# KiCad board DevTermCaseTemp.kicad_pcb
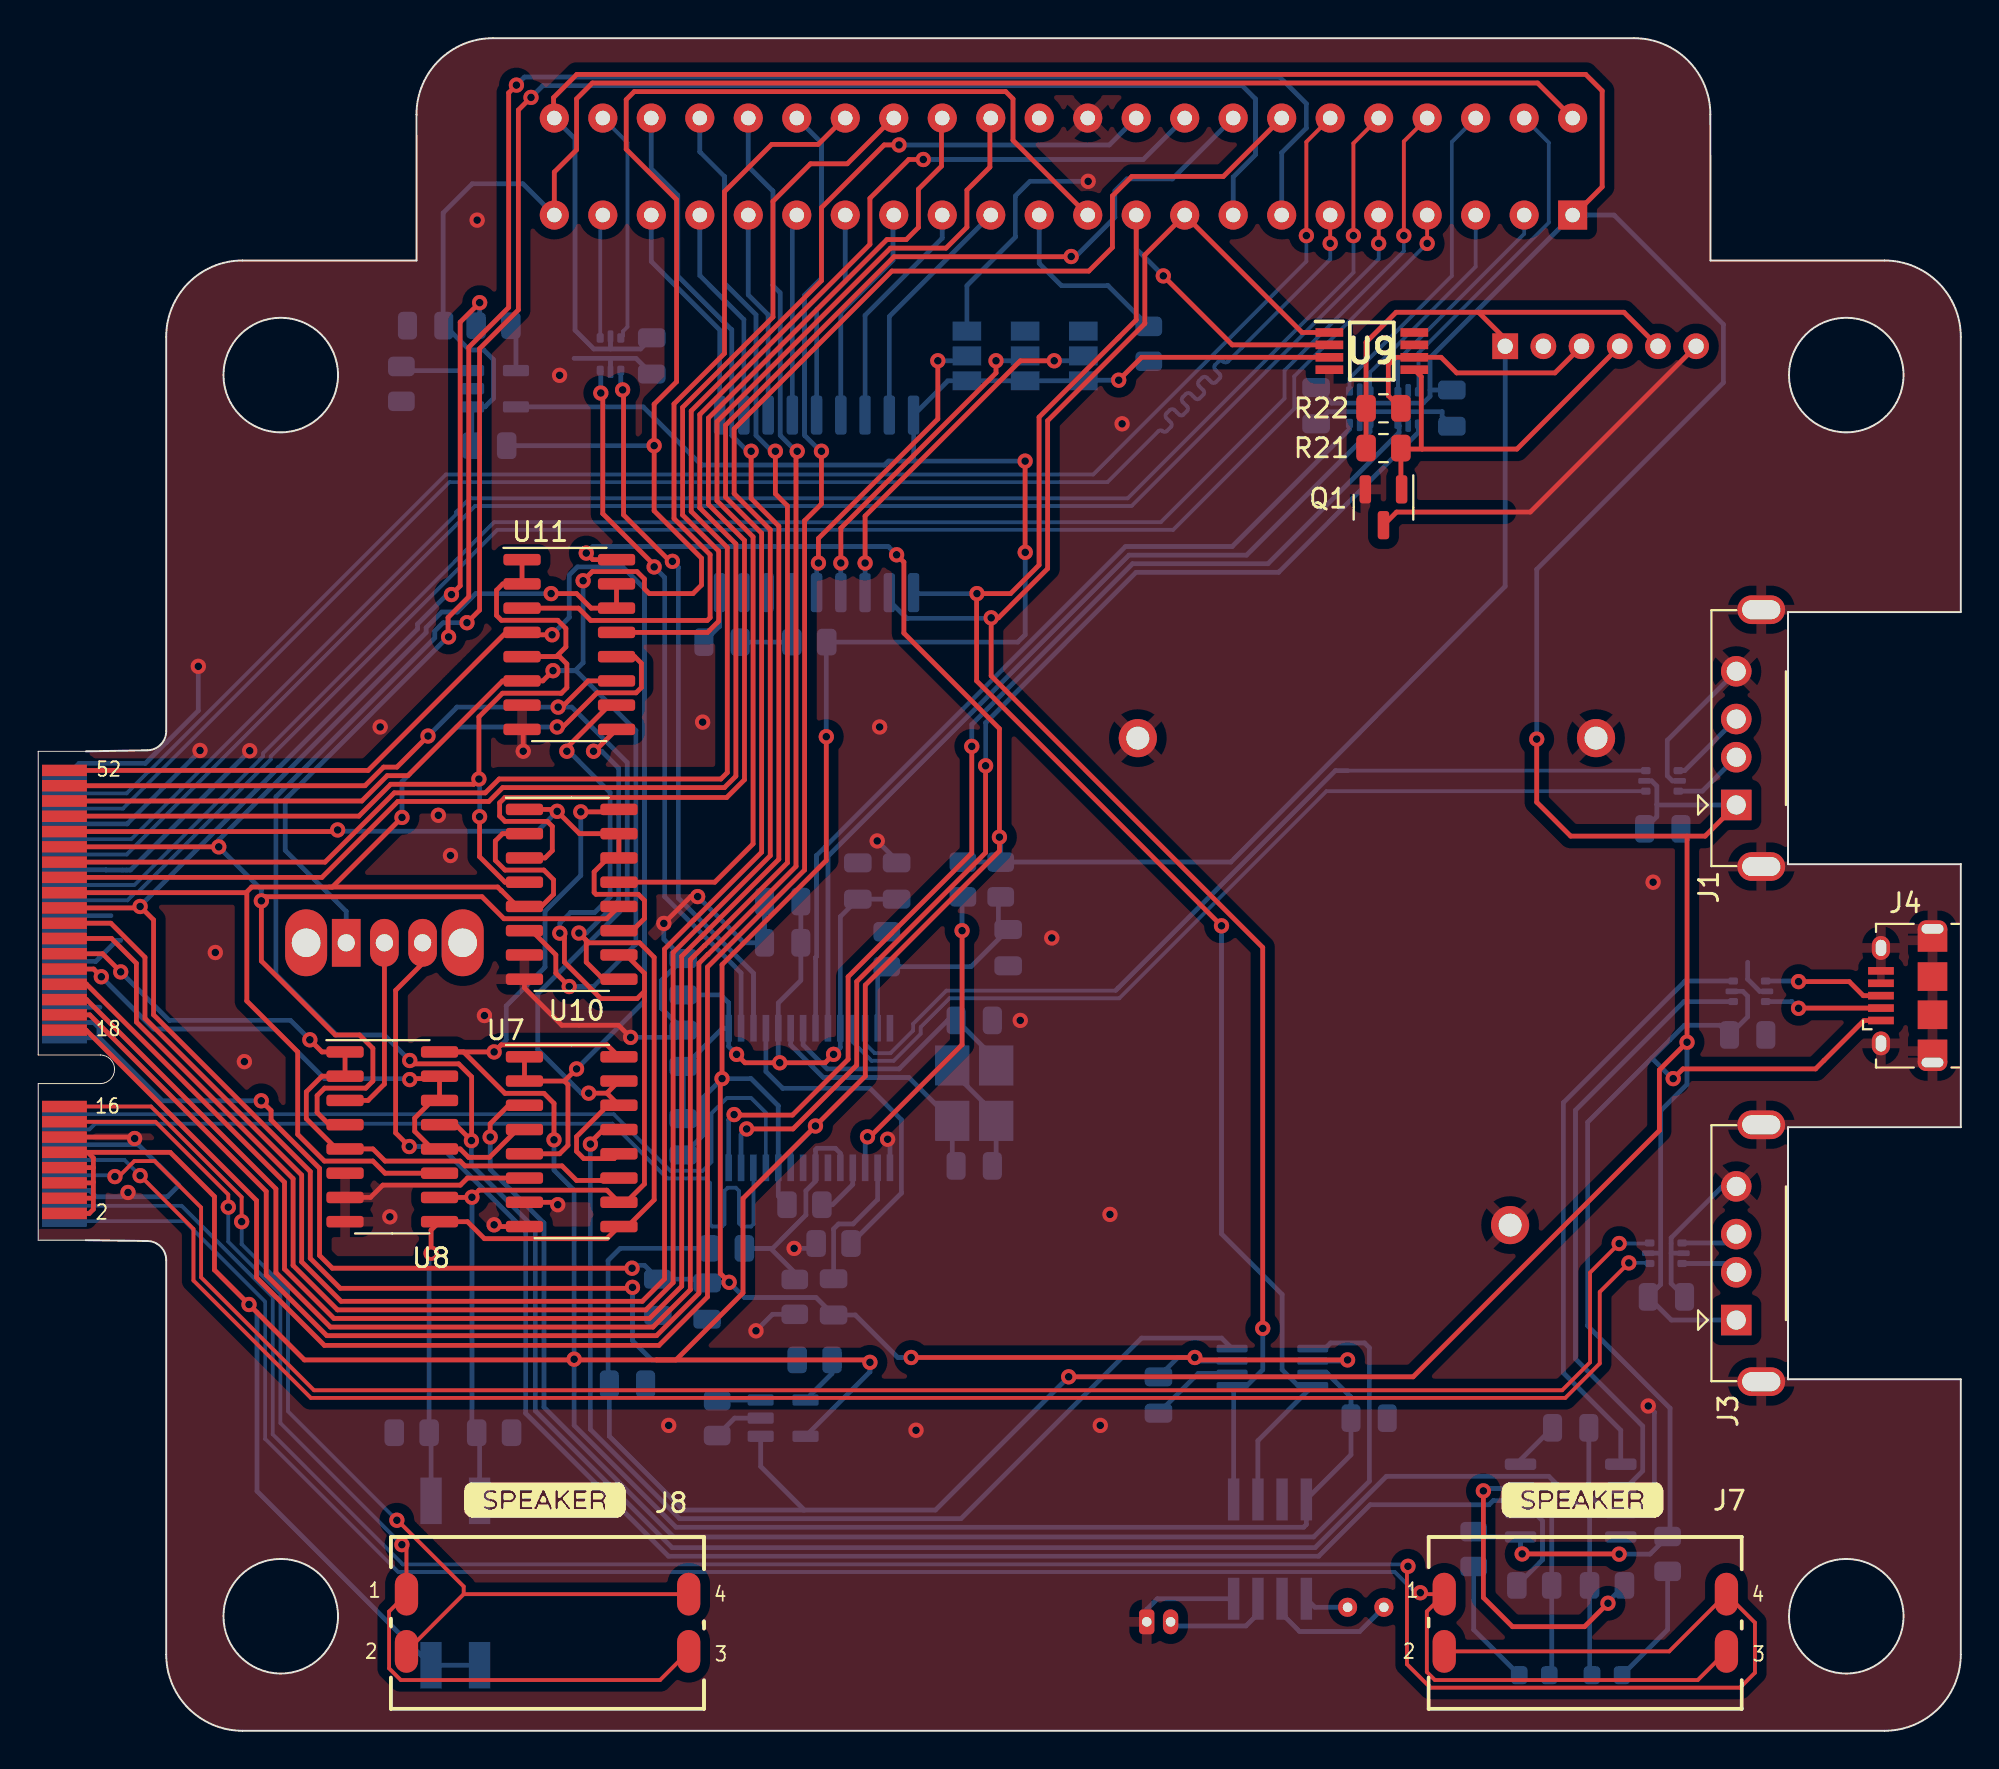
[diagram p0: board, top side]
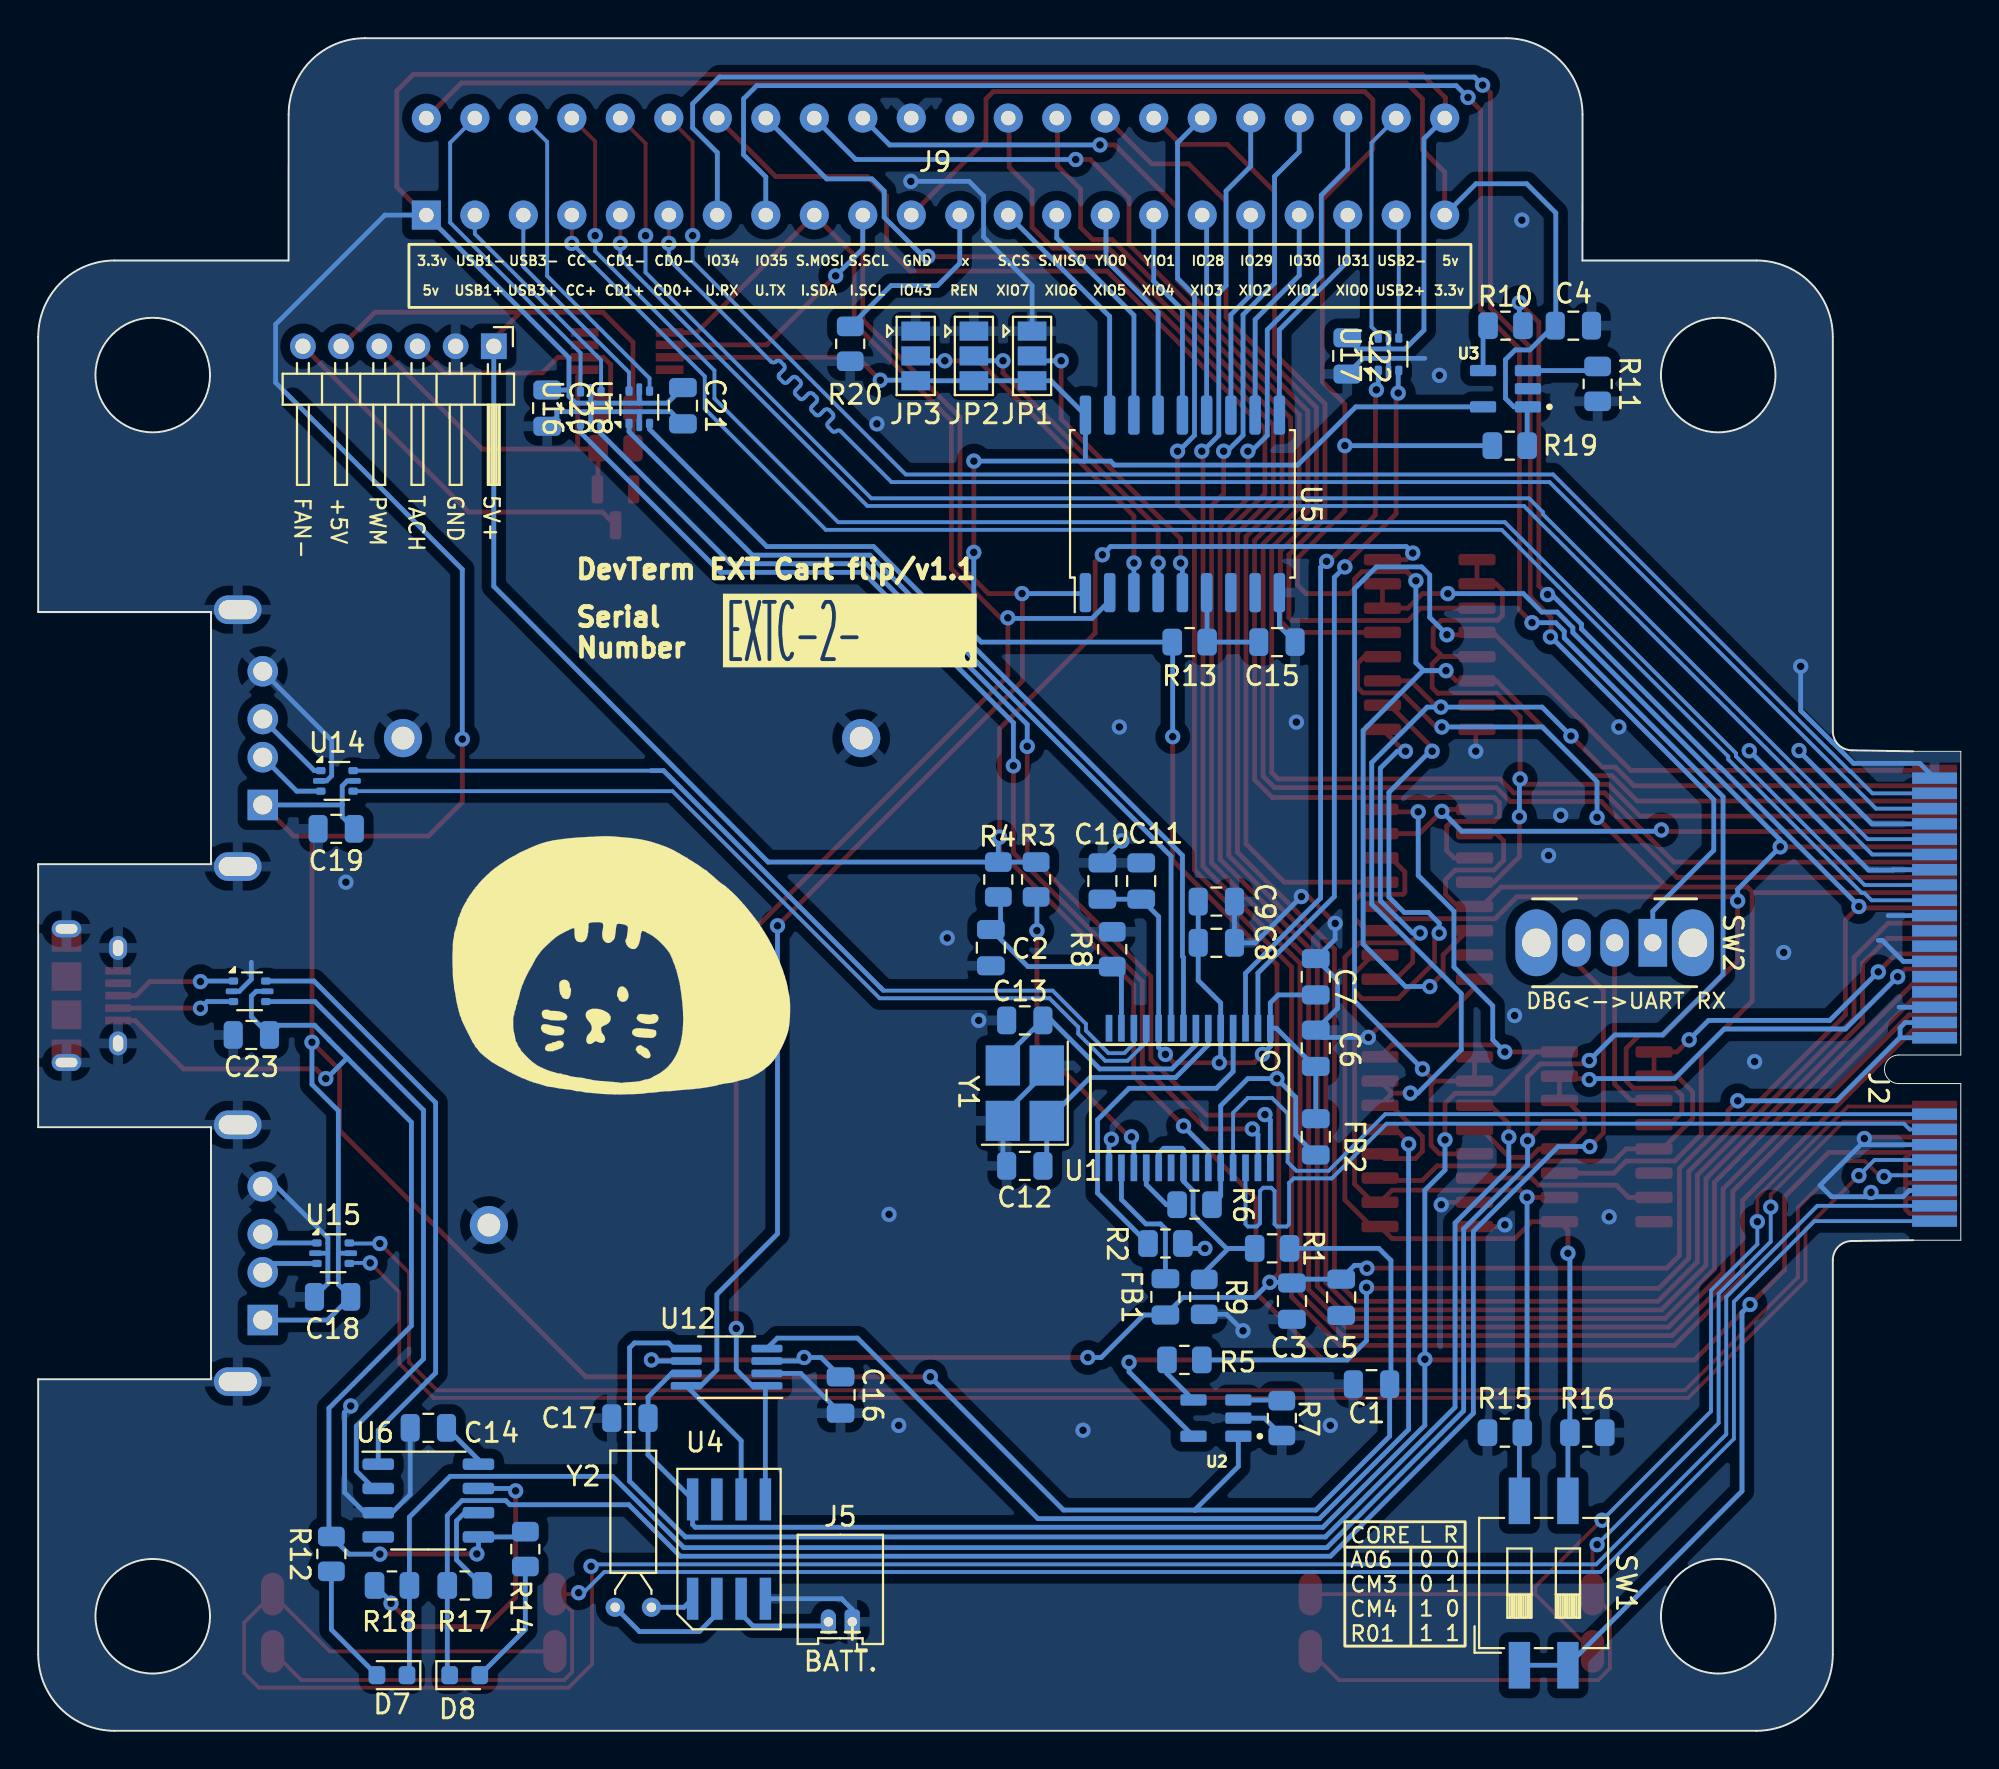
[diagram p1: board, bottom side, seen from below]

Outline 100.71 x 88.64 mm; copper layers: Top, Bottom. Coordinates in mm from the lower left corner of the outline.
Outline path: circle c12.71,71 r3 ; circle c12.71,6 r3 ; circle c94.71,71 r3 ; circle c94.71,6 r3 ; 2.5,51.29 5.71,51.35 arc(6.41,51.64) 6.71,52.35 6.71,73 arc(7.88,75.83) 10.71,77 19.82,77 19.81,84.64 arc(20.99,87.47) 23.81,88.64 83.59,88.64 arc(86.42,87.47) 87.59,84.64 87.59,77 96.71,77 arc(99.53,75.83) 100.71,73 100.71,58.59 91.65,58.59 91.65,45.39 100.71,45.39 100.71,31.61 91.66,31.61 91.66,18.41 100.71,18.41 100.71,4 arc(99.53,1.17) 96.71,0 10.71,0 arc(7.88,1.17) 6.71,4 6.71,24.65 arc(6.41,25.36) 5.71,25.65 2.5,25.69
Stack: Top 0.035mm / dielectric 1.51mm FR4 er 4.5 / Bottom 0.035mm

## Placement (name value [footprint] x y rotation side)
C1  10uF  [C_0805_2012Metric]  30.87 18.15 0 bottom
C2  1uF  [C_0805_2012Metric]  50.81 41.01 270 bottom
C3  100nF  [C_0805_2012Metric]  35.04 22.5 270 bottom
C4  10uF  [C_0805_2012Metric]  20.29 73.59 180 bottom
C5  10uF  [C_0805_2012Metric]  32.46 22.7 270 bottom
C6  100nF  [C_0805_2012Metric]  33.79 35.75 90 bottom
C7  100nF  [C_0805_2012Metric]  33.79 39.49 90 bottom
C8  100nF  [C_0805_2012Metric]  38.99 41.27 180 bottom
C9  1uF  [C_0805_2012Metric]  38.99 43.43 180 bottom
C10  1uF  [C_0805_2012Metric]  44.96 44.5 90 bottom
C11  100nF  [C_0805_2012Metric]  42.93 44.5 90 bottom
C12  20pF  [C_0805_2012Metric]  49.03 29.58 0 bottom
C13  20pF  [C_0805_2012Metric]  49.03 37.2 0 bottom
C14  100nF  [C_0805_2012Metric]  80.27 15.87 0 bottom
C15  100nF  [C_0805_2012Metric]  35.82 57.02 0 bottom
C16  100nF  [C_0805_2012Metric]  58.68 17.58 270 bottom
C17  100nF  [C_0805_2012Metric]  69.71 16.38 0 bottom
C18  100nF  [C_0805_2012Metric]  85.28 22.73 0 bottom
C19  100nF  [C_0805_2012Metric]  85.1 47.24 0 bottom
C20  100nF  [C_0805_2012Metric]  74.05 69.27 270 bottom
C21  100nF  [C_0805_2012Metric]  66.93 69.4 270 bottom
C22  100nF  [C_0805_2012Metric]  32.14 72 270 bottom
C23  100nF  [C_0805_2012Metric]  89.54 36.44 0 bottom
D7  LED  [LED_0603_1608Metric]  82.17 2.91 0 bottom
D8  LED  [LED_0603_1608Metric]  78.36 2.91 180 bottom
FB1  FerriteBead  [C_0805_2012Metric]  41.66 22.73 270 bottom
FB2  FerriteBead  [C_0805_2012Metric]  33.79 31.11 90 bottom
J1  USB_A  [USB_A_PCBCUT]  88.94 48.49 90 top
J2  EXT_miniPCIe  [mini-PCIe]  0 34.64 90 bottom
J3  USB_A  [USB_A_PCBCUT]  88.94 21.51 90 top
J4  USB_B_Micro  [USB_Micro-B_Amphenol_10118194_Horizontal]  97.92 38.5 90 top
J5  Conn_01x02  [Molex_PicoBlade_53048-0210_1x02_P1.25mm_Horizontal]  58.06 5.71 0 bottom
J7  DevTermSpeaker  [DevTerm-Speaker]  80.96 12.08 0 top
J8  DevTermSpeaker  [DevTerm-Speaker]  26.61 12.08 0 top
J9  Conn_02x22_Odd_Even  [C64-Cart-Socket-Horizontal]  53.7 81.92 180 bottom
J11  Conn_01x06  [PinHeader_1x06_P2.00mm_Horizontal]  76.84 72.51 270 bottom
JP1  A0  [SolderJumper-3_P1.3mm_Open_Pad1.0x1.5mm]  48.65 72 270 bottom
JP2  A1  [SolderJumper-3_P1.3mm_Open_Pad1.0x1.5mm]  51.69 72 270 bottom
JP3  A2  [SolderJumper-3_P1.3mm_Open_Pad1.0x1.5mm]  54.74 72 270 bottom
M2  DevTerm Stock Fan  [DevTerm-Stock-Fan]  70.1 39.99 180 bottom
Q1  BSS138  [SOT-23]  70.47 64.08 270 top
R1  30K  [R_0805_2012Metric]  36.07 25.27 0 bottom
R2  680R/1%  [R_0805_2012Metric]  41.66 25.52 0 bottom
R3  100K  [R_0805_2012Metric]  48.44 44.58 90 bottom
R4  10K  [R_0805_2012Metric]  50.42 44.58 270 bottom
R5  10K  [R_0805_2012Metric]  40.67 19.42 0 bottom
R6  100K  [R_0805_2012Metric]  40.14 27.55 180 bottom
R7  6.8K/1%  [R_0805_2012Metric]  35.57 16.38 270 bottom
R8  47K  [R_0805_2012Metric]  44.45 40.93 90 bottom
R9  30K  [R_0805_2012Metric]  39.63 22.73 270 bottom
R10  10K  [R_0805_2012Metric]  23.85 73.59 0 bottom
R11  6.8K/1%  [R_0805_2012Metric]  19.02 70.54 270 bottom
R12  1K  [R_0805_2012Metric]  85.35 9.26 270 bottom
R13  15K  [R_0805_2012Metric]  40.39 57.02 180 bottom
R14  1K  [R_0805_2012Metric]  75.19 9.52 270 bottom
R15  100K  [R_0805_2012Metric]  23.88 15.61 0 bottom
R16  100K  [R_0805_2012Metric]  19.56 15.61 180 bottom
R17  1K  [R_0805_2012Metric]  78.36 7.61 0 bottom
R18  1K  [R_0805_2012Metric]  82.17 7.61 180 bottom
R19  100K  [R_0805_2012Metric]  23.63 67.3 0 bottom
R20  10K  [R_0805_2012Metric]  58.17 72.64 90 bottom
R21  15K  [R_0805_2012Metric]  70.47 67.18 180 top
R22  15K  [R_0805_2012Metric]  70.47 69.26 180 top
SW1  SW_DIP_x02  [SW_DIP_SPSTx02_Slide_6.7x6.64mm_W8.61mm_P2.54mm_LowProfile]  21.85 7.74 90 bottom
SW2  SW_SPDT  [SW_CuK_OS102011MA1QN1_SPDT_Angled]  16.13 41.27 0 bottom
U1  GL850G  [SSOP28]  40.39 33.14 0 bottom
U2  SY6280  [SOT23-5P95_285X100L45X40N]  39.02 16.38 0 bottom
U3  SY6280  [SOT23-5P95_285X100L45X40N]  23.85 70.28 0 bottom
U4  DS1307+  [SOIC-8]  64.52 9.52 180 bottom
U5  MCP23008-xSO  [SOIC-18W_7.5x11.6mm_P1.27mm]  40.77 64.25 90 bottom
U6  CH340N  [SOP-8_3.9x4.9mm_P1.27mm]  80.27 12.06 180 bottom
U7  4052  [SOIC-16_3.9x9.9mm_P1.27mm]  27.95 30.85 0 top
U8  4052  [SOIC-16_3.9x9.9mm_P1.27mm]  18.55 31.11 0 top
U9  EMC2301-1-ACZL-TR  [SOP65P490X110-8N]  69.86 72.26 0 top
U10  4052  [SOIC-16_3.9x9.9mm_P1.27mm]  27.95 43.81 0 top
U11  4052  [SOIC-16_3.9x9.9mm_P1.27mm]  27.82 56.89 0 top
U12  TXS0102DCT  [MSOP-8_3x3mm_P0.65mm]  64.65 19.04 0 bottom
U13  USBLC6-2P6  [SOT-666]  89.63 38.73 180 bottom
U14  USBLC6-2P6  [SOT-666]  85.06 49.75 180 bottom
U15  USBLC6-2P6  [SOT-666]  85.26 25.01 180 bottom
U16  USBLC6-2P6  [SOT-666]  71.76 69.28 90 bottom
U17  USBLC6-2P6  [SOT-666]  29.98 72.09 90 bottom
U18  USBLC6-2P6  [SOT-666]  69.22 69.31 90 bottom
Y1  12MHz  [Crystal_SMD_3225-4Pin_3.2x2.5mm_HandSoldering]  49.03 33.39 90 bottom
Y2  32.768KHz  [Crystal_DS26_D2.0mm_L6.0mm_Horizontal]  68.59 6.47 0 bottom

## Library data of the parts
C1-C23 = -: ki_fp_filters: C_*
D7 D8 = -: ki_fp_filters: LED* LED_SMD:* LED_THT:*
FB1 FB2 = -: ki_fp_filters: Inductor_* L_* *Ferrite*
J1 J3 J4 = -: ki_fp_filters: USB*
J2 = -: Datasheet: https://pcisig.com/specifications/pciexpress/base
J5 J11 = -: ki_fp_filters: Connector*:*_1x??_*
J9 = -: ki_fp_filters: Connector*:*_2x??_*
JP1-JP3 = -: ki_fp_filters: SolderJumper*Open*
Q1 = -: Datasheet: https://www.onsemi.com/pub/Collateral/BSS138-D.PDF; ki_fp_filters: SOT?23*
R1-R22 = -: ki_fp_filters: R_*
SW1 = -: ki_fp_filters: SW?DIP?x2*
U4 = -: Datasheet: https://datasheets.maximintegrated.com/en/ds/DS1307.pdf; ki_fp_filters: DIP*W7.62mm*
U5 = -: Datasheet: http://ww1.microchip.com/downloads/en/DeviceDoc/MCP23008-MCP23S08-Data-Sheet-20001919F.pdf; ki_fp_filters: SOIC*7.5x11.6mm*P1.27mm*
U7 U8 U10 U11 = -: Datasheet: http://www.intersil.com/content/dam/Intersil/documents/cd40/cd4051bms-52bms-53bms.pdf; ki_fp_filters: DIP?16*
U9 = -: Datasheet: http://www.microchip.com/mymicrochip/filehandler.aspx?ddocname=en562400; Height: 1.1; Mouser Part Number: 886-EMC2301-1-ACZLTR; Mouser Price/Stock: https://www.mouser.co.uk/ProductDetail/Microchip-Technology-Atmel/EMC2301-1-ACZL-TR?qs=pA5MXup5wxFdFYiBpDRrfw%3D%3D; Manufacturer_Name: Microchip
U12 = -: Datasheet: http://www.ti.com/lit/gpn/txs0102; ki_fp_filters: SSOP*2.95x2.8mm*P0.65mm*
U13-U18 = -: Datasheet: https://www.st.com/resource/en/datasheet/usblc6-2.pdf; Description: Very low capacitance ESD protection diode, 2 data-line, SOT-666; ki_fp_filters: SOT?666*
Y1 Y2 = -: ki_fp_filters: Crystal*

## Footprints (pads in the part's own frame, mm; a bottom-side part is the same pattern mirrored in y, then rotated)
C64-Cart-Socket-Horizontal
  rect 1.524x1.524 hole 0.762: 1(-26.67,-2.54)
  round 1.524 hole 0.762: 2(-26.67,2.54) 3(-24.13,-2.54) 4(-24.13,2.54) 5(-21.59,-2.54) 6(-21.59,2.54) 7(-19.05,-2.54) 8(-19.05,2.54) 9(-16.51,-2.54) 10(-16.51,2.54) 11(-13.97,-2.54) 12(-13.97,2.54) 13(-11.43,-2.54) 14(-11.43,2.54) 15(-8.89,-2.54) 16(-8.89,2.54) 17(-6.35,-2.54) 18(-6.35,2.54) 19(-3.81,-2.54) 20(-3.81,2.54) 21(-1.27,-2.54) 22(-1.27,2.54) 23(1.27,-2.54) 24(1.27,2.54) 25(3.81,-2.54) 26(3.81,2.54) 27(6.35,-2.54) 28(6.35,2.54) 29(8.89,-2.54) 30(8.89,2.54) 31(11.43,-2.54) 32(11.43,2.54) 33(13.97,-2.54) 34(13.97,2.54) 35(16.51,-2.54) 36(16.51,2.54) 37(19.05,-2.54) 38(19.05,2.54) 39(21.59,-2.54) 40(21.59,2.54) 41(24.13,-2.54) 42(24.13,2.54) 43(26.67,-2.54) 44(26.67,2.54)
C_0805_2012Metric
  rrect 1x1.45 smd: 1(-0.95,0) 2(0.95,0)
Crystal_DS26_D2.0mm_L6.0mm_Horizontal
  round 1 hole 0.5: 1(0,0) 2(1.9,0)
Crystal_SMD_3225-4Pin_3.2x2.5mm_HandSoldering
  rect 2.1x1.8 smd: 1(-1.45,-1.15) 2(1.45,-1.15) 3(1.45,1.15) 4(-1.45,1.15)
DevTerm-Speaker
  rrect 1.219x2.243 smd: 1(-7.315,-4.928) 2(-7.315,-7.925) 3(7.468,-7.925) 4(7.468,-4.928)
DevTerm-Stock-Fan
  round 2 hole 1.2: 1(-11.5,12) 1(-7,-13.5) 1(12.5,12)
LED_0603_1608Metric
  rrect 0.875x0.95 smd: 1(-0.787,0) 2(0.787,0)
mini-PCIe
  rect 0.6x2.35 smd: 1(-7.95,1.375) 3(-7.15,1.375) 5(-6.35,1.375) 7(-5.55,1.375) 9(-4.75,1.375) 11(-3.95,1.375) 13(-3.15,1.375) 15(-2.35,1.375) 17(1.65,1.375) 19(2.45,1.375) 21(3.25,1.375) 23(4.05,1.375) 25(4.85,1.375) 27(5.65,1.375) 29(6.45,1.375) 31(7.25,1.375) 33(8.05,1.375) 35(8.85,1.375) 37(9.65,1.375) 39(10.45,1.375) 41(11.25,1.375) 43(12.05,1.375) 45(12.85,1.375) 47(13.65,1.375) 49(14.45,1.375) 51(15.25,1.375)
  rect 0.6x2.35 smd far side: 2(-7.55,1.375) 4(-6.75,1.375) 6(-5.95,1.375) 8(-5.15,1.375) 10(-4.35,1.375) 12(-3.55,1.375) 14(-2.75,1.375) 16(-1.95,1.375) 18(2.05,1.375) 20(2.85,1.375) 22(3.65,1.375) 24(4.45,1.375) 26(5.25,1.375) 28(6.05,1.375) 30(6.85,1.375) 32(7.65,1.375) 34(8.45,1.375) 36(9.25,1.375) 38(10.05,1.375) 40(10.85,1.375) 42(11.65,1.375) 44(12.45,1.375) 46(13.25,1.375) 48(14.05,1.375) 50(14.85,1.375) 52(15.65,1.375)
Molex_PicoBlade_53048-0210_1x02_P1.25mm_Horizontal
  rrect 0.8x1.3 hole 0.5: 1(0,0)
  oval 0.8x1.3 hole 0.5: 2(1.25,0)
MSOP-8_3x3mm_P0.65mm
  rrect 1.625x0.4 smd: 1(-2.112,0.975) 2(-2.112,0.325) 3(-2.112,-0.325) 4(-2.112,-0.975) 5(2.112,-0.975) 6(2.112,-0.325) 7(2.112,0.325) 8(2.112,0.975)
PinHeader_1x06_P2.00mm_Horizontal
  rect 1.35x1.35 hole 0.8: 1(0,0)
  oval 1.35x1.35 hole 0.8: 2(0,-2) 3(0,-4) 4(0,-6) 5(0,-8) 6(0,-10)
R_0805_2012Metric
  rrect 1.025x1.4 smd: 1(-0.912,0) 2(0.912,0)
SOIC-8
  rect 0.6x2.2 smd: 1(-1.905,-2.6) 2(-0.635,-2.6) 3(0.635,-2.6) 4(1.905,-2.6) 5(1.905,2.6) 6(0.635,2.6) 7(-0.635,2.6) 8(-1.905,2.6)
SOIC-16_3.9x9.9mm_P1.27mm
  rrect 1.95x0.6 smd: 1(-2.475,4.445) 2(-2.475,3.175) 3(-2.475,1.905) 4(-2.475,0.635) 5(-2.475,-0.635) 6(-2.475,-1.905) 7(-2.475,-3.175) 8(-2.475,-4.445) 9(2.475,-4.445) 10(2.475,-3.175) 11(2.475,-1.905) 12(2.475,-0.635) 13(2.475,0.635) 14(2.475,1.905) 15(2.475,3.175) 16(2.475,4.445)
SOIC-18W_7.5x11.6mm_P1.27mm
  rrect 2.05x0.6 smd: 1(-4.65,5.08) 2(-4.65,3.81) 3(-4.65,2.54) 4(-4.65,1.27) 5(-4.65,0) 6(-4.65,-1.27) 7(-4.65,-2.54) 8(-4.65,-3.81) 9(-4.65,-5.08) 10(4.65,-5.08) 11(4.65,-3.81) 12(4.65,-2.54) 13(4.65,-1.27) 14(4.65,0) 15(4.65,1.27) 16(4.65,2.54) 17(4.65,3.81) 18(4.65,5.08)
SolderJumper-3_P1.3mm_Open_Pad1.0x1.5mm
  rect 1x1.5 smd: 1(-1.3,0) 2(0,0) 3(1.3,0)
SOP65P490X110-8N
  rect 1.45x0.45 smd: 1(-2.225,0.975) 2(-2.225,0.325) 3(-2.225,-0.325) 4(-2.225,-0.975) 5(2.225,-0.975) 6(2.225,-0.325) 7(2.225,0.325) 8(2.225,0.975)
SOP-8_3.9x4.9mm_P1.27mm
  rrect 1.65x0.6 smd: 1(-2.625,1.905) 2(-2.625,0.635) 3(-2.625,-0.635) 4(-2.625,-1.905) 5(2.625,-1.905) 6(2.625,-0.635) 7(2.625,0.635) 8(2.625,1.905)
SOT23-5P95_285X100L45X40N
  rrect 1.37x0.59 smd: 1(-1.175,0.95) 2(-1.175,0) 3(-1.175,-0.95) 4(1.175,-0.95) 5(1.175,0.95)
SOT-23
  rrect 1.475x0.6 smd: 1(-0.938,0.95) 2(-0.938,-0.95) 3(0.938,0)
SOT-666
  rrect 0.5x0.375 smd: 1(-0.85,0.537) 3(-0.85,-0.537) 4(0.85,-0.537) 6(0.85,0.537)
  rrect 0.65x0.3 smd: 2(-0.925,0) 5(0.925,0)
SSOP28
  rect 0.348x1.397 smd: 1(-4.225,-3.656) 2(-3.575,-3.656) 3(-2.925,-3.656) 4(-2.275,-3.656) 5(-1.625,-3.656) 6(-0.975,-3.656) 7(-0.325,-3.656) 8(0.325,-3.656) 9(0.975,-3.656) 10(1.625,-3.656) 11(2.275,-3.656) 12(2.925,-3.656) 13(3.575,-3.656) 14(4.225,-3.656) 15(4.225,3.656) 16(3.575,3.656) 17(2.925,3.656) 18(2.275,3.656) 19(1.625,3.656) 20(0.975,3.656) 21(0.325,3.656) 22(-0.325,3.656) 23(-0.975,3.656) 24(-1.625,3.656) 25(-2.275,3.656) 26(-2.925,3.656) 27(-3.575,3.656) 28(-4.225,3.656)
SW_CuK_OS102011MA1QN1_SPDT_Angled
  oval 2.2x3.5 hole 1.5: (-2.1,0) (6.1,0)
  rect 1.5x2.5 hole 0.9: 1(0,0)
  oval 1.5x2.5 hole 0.9: 2(2,0) 3(4,0)
SW_DIP_SPSTx02_Slide_6.7x6.64mm_W8.61mm_P2.54mm_LowProfile
  rect 2.44x1.12 smd: 1(-4.305,1.27) 2(-4.305,-1.27) 3(4.305,-1.27) 4(4.305,1.27)
USB_A_PCBCUT
  rect 1.6x1.6 hole 1: 1(0,0)
  round 1.6 hole 1: 2(2.5,0) 3(4.5,0) 4(7,0)
  oval 1.5x2.5 hole 1x2: 5(-3.225,-1.31) 5(10.225,-1.31)
USB_Micro-B_Amphenol_10118194_Horizontal
  oval 0.89x1.55 smd: (-3.5,-1.3) (3.5,-1.3)
  oval 1.25x0.95 smd: (-2.5,1.4) (2.5,1.4)
  rect 0.4x1.35 smd: 1(-1.3,1.4) 2(-0.65,1.4) 3(0,1.4) 4(0.65,1.4) 5(1.3,1.4)
  oval 0.89x1.55 hole 0.5x1.15: 6(-3.5,-1.3) 6(3.5,-1.3)
  rect 1.2x1.55 smd: 6(-2.9,-1.3) 6(2.9,-1.3)
  oval 1.25x0.95 hole 0.85x0.55: 6(-2.5,1.4) 6(2.5,1.4)
  rect 1.5x1.55 smd: 6(-1,-1.3) 6(1,-1.3)

## Nets
+3.3V: C3.1 C5.1 C16.1 FB1.2 FB2.1 J2.17 J2.19 JP1.3 JP2.3 JP3.3 R6.2 R13.1 U1.24 U3.5 U5.18 U9.3 U12.3 U12.6
+3.3VP: C4.1 J9.2 J9.43 R19.1 U3.1
+5V: C17.1 J2.2 J2.4 J2.6 J2.8 J2.10 J11.1 J11.5 R3.2 R4.1 R21.2 R22.2 SW1.1 SW1.2 U1.23 U2.5 U4.8 U7.16 U8.16 U10.16 U11.16 U12.7
+5VP: C1.1 C18.1 C19.1 C20.1 C21.1 C22.1 J1.1 J3.1 J9.1 J9.44 R1.1 U2.1 U14.5 U15.5 U16.5 U17.5 U18.5
/AVDD: C6.1 C7.1 C8.1 C9.1 C10.1 C11.1 FB2.2 U1.1 U1.5 U1.10
GND: C1.2 C2.2 C3.2 C4.2 C5.2 C6.2 C7.2 C8.2 C9.2 C10.2 C11.2 C12.2 C13.2 C14.2 C15.1 C16.2 C17.2 C18.2 C19.2 C20.2 C21.2 C22.2 C23.2 J1.4 J1.5 J2.5 J2.11 J2.12 J2.21 J2.27 J2.33 J2.39 J2.45 J2.51 J3.4 J3.5 J4.4 J4.5 J4.6 J5.1 J9.22 J11.2 JP1.1 JP2.1 JP3.1 M2.1 Q1.2 R2.1 R7.2 R8.2 R9.2 R11.2 R15.2 R16.2 R20.1 U1.15 U2.2 U3.2 U4.4 U5.9 U6.3 U7.6 U7.7 U7.8 U8.6 U8.7 U8.8 U9.4 U10.7 U10.8 U11.7 U11.8 U12.2 U13.2 U14.2 U15.2 U16.2 U17.2 U18.2 Y1.2 Y1.4
VBUS: C23.1 J4.1 R12.1 R14.1 U6.5 U13.5
/CAM0.D+: J2.47 J9.11
/CAM0.D-: J2.49 J9.12
/CAM1.D+: J2.41 J9.9
/CAM1.D-: J2.43 J9.10
/CAM2.D+: J2.29
/CAM2.D-: J2.31
/CAM3.D+: J2.23
/CAM3.D-: J2.25
/CAM.C+: J2.35 J9.7
/CAM.C-: J2.37 J9.8
/DBG_RX: D8.1 R17.2 SW2.3
/DBG_TX: D7.1 J9.15 R18.2 U8.13
/EXT_GPIO0: J9.39 U5.10
/EXT_GPIO1: J9.37 U5.11
/EXT_GPIO2: J9.35 U5.12
/EXT_GPIO3: J9.33 U5.13
/EXT_GPIO4: J9.31 U5.14
/EXT_GPIO5: J9.29 U5.15
/EXT_GPIO6: J9.27 U5.16
/EXT_GPIO7: J9.25 U5.17
/EXT_USB1.D+: J9.3 U16.4
/EXT_USB1.D-: J9.4 U16.6
/EXT_USB2.D+: J9.42 U17.6
/EXT_USB2.D-: J9.41 U17.4
/EXT_USB3.D+: J9.5 U18.6
/EXT_USB3.D-: J9.6 U18.4
/EXT_USB4.D+: U1.12 U14.6
/EXT_USB4.D-: U1.11 U14.4
/EXT_USB_X1: C12.1 U1.6 Y1.1
/EXT_USB_X2: C13.1 U1.7 Y1.3
/GPIO_X1: J9.30 U11.13
/GPIO_X2: J9.32 U11.3
/I2C_SCL: J9.19 U4.6 U5.1 U9.2 U12.8
/I2C_SDA: J9.17 U4.5 U5.2 U9.1 U12.1
/ID_A: R15.1 SW1.4 U7.10 U8.10 U10.10 U11.10
/ID_B: R16.1 SW1.3 U7.9 U8.9 U10.9 U11.9
/IO28: J2.18 J9.34
/IO29: J2.20 J9.36
/IO30: J2.22 J9.38
/IO31: J2.24 J9.40
/IO32: J2.26 U7.4 U8.12 U8.14 U8.15
/IO33: J2.28 U7.11 U8.1 U8.2 U8.5
/IO34: J2.30 J9.14
/IO35: J2.32 J9.16
/IO36: J2.34 R5.1 R10.1
/IO37: J2.36 U8.11 U10.2 U10.5 U11.12
/IO38: J2.38 J9.18
/IO39: J2.40 J9.20
/IO40: J2.42 U8.4 U10.12 U11.14 U11.15
/IO41: J2.44 U10.1 U10.11 U10.14 U10.15
/IO42: J2.46 U10.4 U11.1 U11.2 U11.5
/IO43: J2.48 J9.21 R19.2 U10.6 U11.6
/IO44: J2.50 U7.12 U7.14 U7.15 U11.11
/IO45: J2.52 U7.1 U7.2 U7.5 U11.4
/SPI_CS: J9.26 U10.13
/SPI_MISO: J9.28 U10.3
/SPK_LN: J2.3 J7.2 J7.4
/SPK_LP: J2.1 J7.1 J7.3
/SPK_RN: J2.16 J8.2 J8.4
/SPK_RP: J2.14 J8.1 J8.3
/U1.D1+: U1.28 U16.3
/U1.D1-: U1.27 U16.1
/U2.D+: U1.3 U17.1
/U2.D-: U1.2 U17.3
/U3.D+: U1.9 U18.1
/U3.D-: U1.8 U18.3
/UART_RX: J9.13 SW2.1
/USB3.D+: J2.7 U15.6
/USB3.D-: J2.9 U15.4
/USB4.D+: J2.13 U1.26
/USB4.D-: J2.15 U1.25
Net-(C2-Pad1): C2.1 R4.2 R8.1 U1.13
Net-(D7-A): D7.2 R12.2
Net-(D8-A): D8.2 R14.2
Net-(FB1-Pad1): FB1.1 U1.16
Net-(J1-D+): J1.3 U14.1
Net-(J1-D-): J1.2 U14.3
Net-(J3-D+): J3.3 U15.1
Net-(J3-D-): J3.2 U15.3
Net-(J4-D+): J4.3 U13.1
Net-(J4-D-): J4.2 U13.3
Net-(J5-Pin_2): J5.2 U4.3
Net-(J9-Pin_23): J9.23 R20.2